# Altium PCB Room02.PcbDoc (part 2 of 2)
Units mil, origin at the board's own origin, x right, y up, seen from the top; angles counter-clockwise.
Board outline 3779.53 x 3149.61 mil, 2 copper layers (Top Layer, Bottom Layer); 97 components, 89 nets, 403 pads, 110 vias.
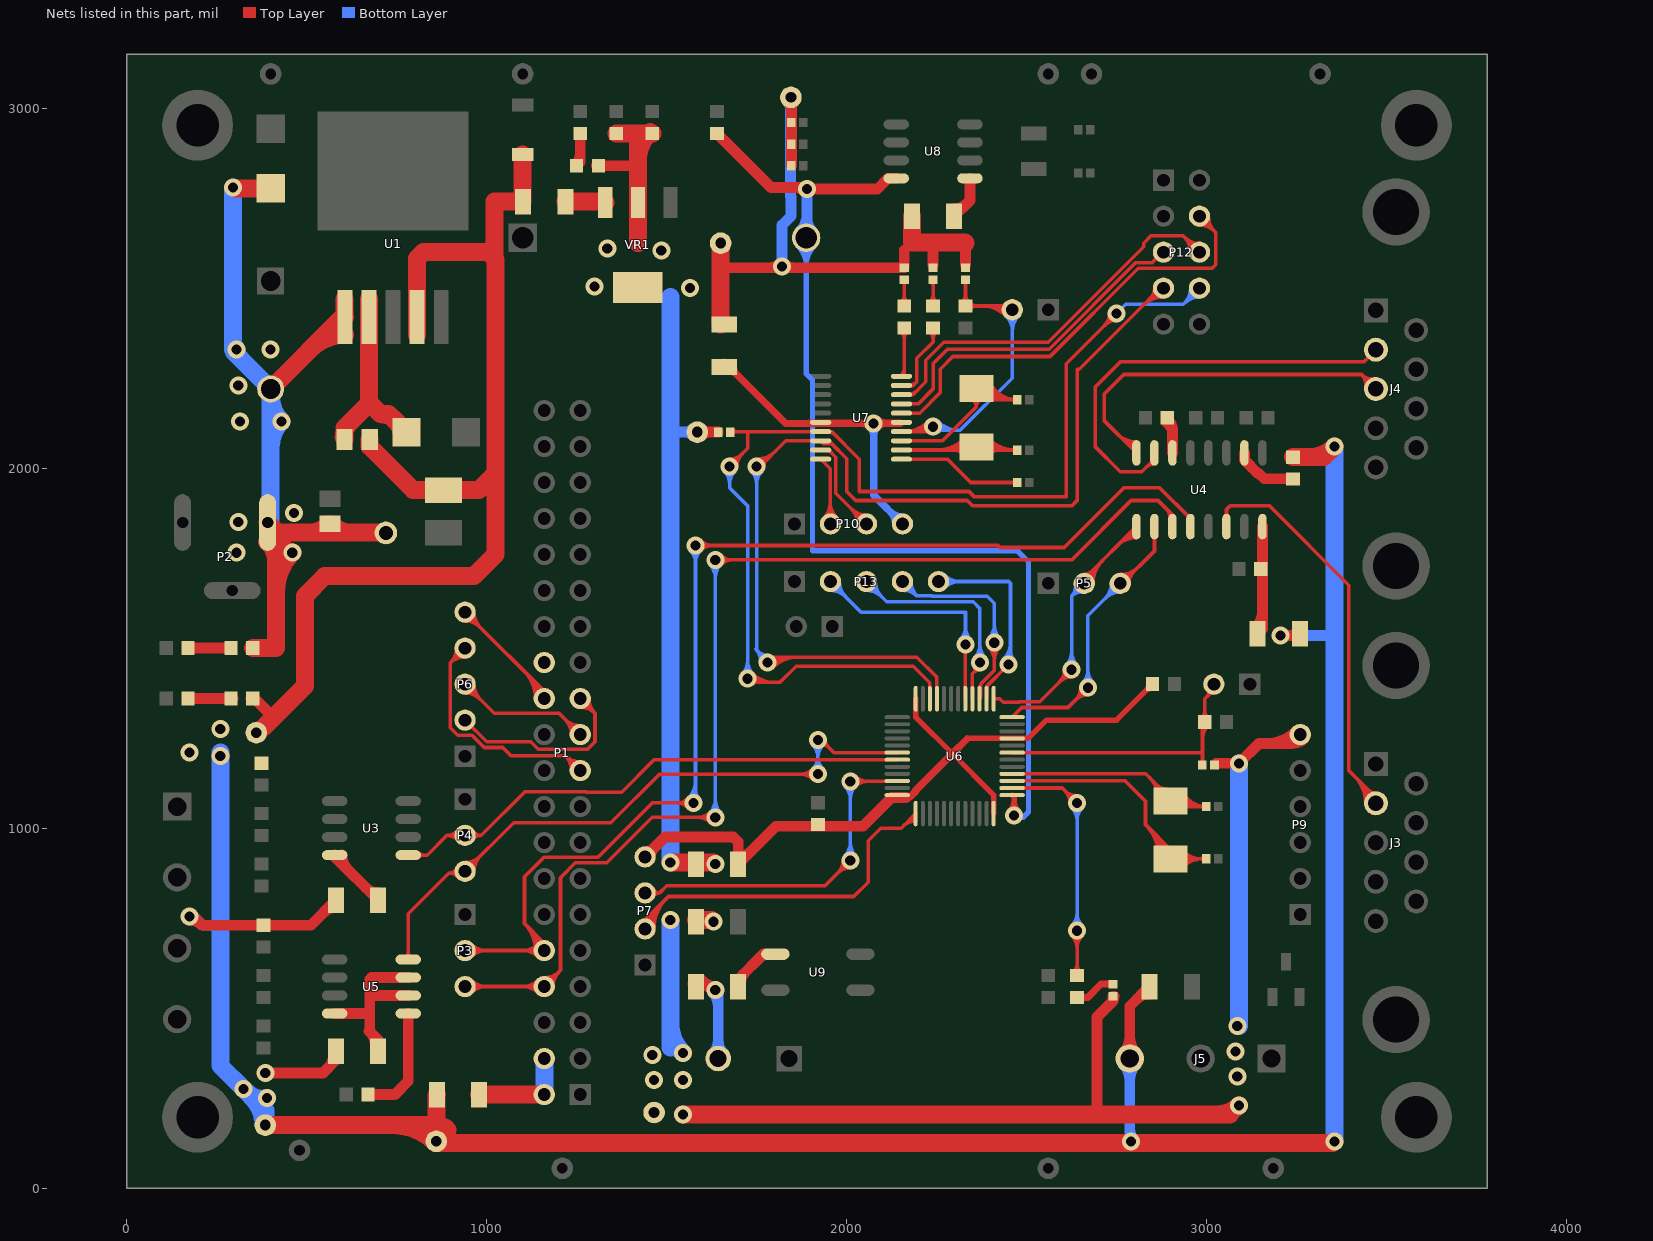
[diagram p2: the nets of this part, all layers, seen from the top]

## Via types
v1: diameter 50, hole 28, Top Layer to Bottom Layer, 110 vias

## Nets (pads, with @x,y where several pads share a name; then routed paths per layer and width w, separated by ;. In a path a pad name is that pad's centre, name@x,y a point inside that pad or via, vN(x,y) a via of type N, cw(c..) or ccw(c..) an arc to the next point about the centre after c; other vN are vias at no path point) (continued)
J3T: J3.2 U4.14 | length 1363.5
  Top Layer w10: U4.14@3050.18,1866.08 ccw(c3038.56,1877.7) 3055,1877.7 ccw(c3071.44,1877.7) U4.14@3059.82,1866.08 ; U4.14@3055,1837.64 3055,1885 3065,1895 3175,1895 3395,1675 3395,1160.08 3470.08,1085 J3.2@3470.08,1069.06 ; 3410.55,1144.53 cw(c3335.07,1069.06) J3.2@3441.81,1069.06 ; 3427.62,1127.46 cw(c3369.22,1069.06) J3.2@3451.81,1069.06 ; 3444.69,1110.39 cw(c3403.36,1069.06) J3.2@3461.81,1069.06 ; 3449.04,1106.04 ccw(c3470.08,1127.08) J3.2@3470.08,1097.32
J4R: J4.3 U4.8 | length 1241
  Top Layer w10: 2753.05,2094.31 ccw(c2805,2146.27) U4.8@2805,2072.8 ; 2770.12,2077.24 ccw(c2805,2112.12) U4.8@2805,2062.8 ; 2787.19,2060.17 ccw(c2805,2077.98) U4.8@2805,2052.8 ; U4.8@2804.26,2043.1 ccw(c2805,2043.84) U4.8@2805,2042.8 ; U4.8@2805,2042.36 2715,2132.36 2715,2205 2770,2260 3430.08,2260 ; J4.3@3442.09,2223.99 ccw(c3400.05,2229.97) 3430.08,2260 ; J4.3@3451.99,2222.58 ccw(c3424.83,2226.44) 3444.23,2245.85 ccw(c3463.63,2265.25) J4.3@3467.5,2238.09 ; J4.3@3466.09,2247.99 cw(c3460.11,2290.02) 3430.08,2260 ; J4.3@3470.08,2220 3430.08,2260
J4T: J4.2 U4.7 | length 1238.8
  Top Layer w10: 2832.69,2002.69 cw(c2855,1980.37) U4.7@2855,2011.93 ; U4.7@2855,2042.36 2855,2025 2820,1990 2760,1990 2690,2060 2690,2225 2760,2295 3436.02,2295 J4.2@3470.08,2329.06
LED3_030: D7.K U7.9 | length 287.9
  Top Layer w10: U7.9@2152.2,2229.57 2184.57,2229.57 2195,2240 2195,2305 2240,2350 D7.K@2240,2389.69 ; U7.9@2174.84,2231.46 ccw(c2174.84,2259.5) 2194.67,2239.67 ; D7.K@2230.59,2380.28 cw(c2207.87,2357.56) 2240,2357.56 cw(c2272.13,2357.56) D7.K@2249.41,2380.28
LED4_030: D8.K U7.10 | length 212.7
  Top Layer w10: D8.K@2150.59,2380.28 cw(c2127.87,2357.56) 2160,2357.56 cw(c2192.13,2357.56) D8.K@2169.41,2380.28 ; U7.10@2150.87,2256.49 ccw(c2128.82,2278.54) 2160,2278.54 ; U7.10@2152.2,2255.16 2160,2262.95 D8.K@2160,2389.69
LED_103: D6.K U6.2 | length 1031.2
  Top Layer w10: U6.2@2459.45,1111.42 2598.58,1111.42 v1(2640,1070) ; v1@2620,1070 ccw(c2571.72,1070) 2605.86,1104.14 ccw(c2640,1138.28) v1@2640,1090 ; v1@2625.86,700.86 cw(c2591.72,666.72) 2640,666.72 cw(c2688.28,666.72) v1@2654.14,700.86 ; D6.K@2630.59,599.72 ccw(c2607.87,622.44) 2640,622.44 ccw(c2672.13,622.44) D6.K@2649.41,599.72 ; D6.K@2640,590.31 v1(2640,715)
  Bottom Layer w10: v1@2625.86,729.14 ccw(c2591.72,763.28) 2640,763.28 ccw(c2688.28,763.28) v1@2654.14,729.14 ; v1@2625.86,1055.86 cw(c2591.72,1021.72) 2640,1021.72 cw(c2688.28,1021.72) v1@2654.14,1055.86 ; v1(2640,715) v1(2640,1070)
NetC8_1: C8.1 U4.2 | length 176.6
  Top Layer w30: U4.2@3105,2042.36 3105,2022.34 3141.41,1985.93 3144.07,1985.93 3159.68,1970.32 C8.1@3240,1970.32
NetC11_2: C11.2 R27.1 U4.16 | length 372
  Top Layer w30: R27.1@3136.22,1558.31 ccw(c3090.87,1603.66) 3155,1603.66 ; C11.2@3147.98,1716.68 cw(c3131.02,1699.72) 3155,1699.72 ; C11.2@3147.98,1723.32 ccw(c3131.02,1740.28) 3155,1740.28 ; R27.1@3155,1553.66 U4.16@3155,1837.64
NetC12_2: C12.2 U4.6 | length 207.2
  Top Layer w30: C12.2@2887.98,2136.68 cw(c2846.88,2095.58) 2905,2095.58 ; C12.2@2888.56,2136.21 cw(c2869.92,2106.5) 2905,2106.5 ; C12.2@2890.32,2140 2890.32,2124.68 2905,2110 U4.6@2905,2042.36 ; C12.2@2893.41,2137.84 ccw(c2911.59,2130.92) 2897.83,2117.17
NetD2_A: D2.A R1.1 | length 119.7
  Top Layer w30: D2.A@170.32,1500 R1.1@290,1500
NetD3_A: D3.A R2.1 | length 124.7
  Top Layer w30: D3.A@170.32,1360 R2.1@295,1360
NetD4_A: D4.A R3.1 | length 127.9
  Top Layer w30: R3.1@1247.35,2843.32 ccw(c1216.8,2873.87) 1260,2873.87 ; R3.1@1249.69,2840 1260,2850.31 D4.A@1260,2929.68
NetD6_A: D6.A R12.1 | length 146.8
  Top Layer w20: D6.A@2640,529.68 2669.68,529.68 2706.73,566.73 R12.1@2740,566.73 ; D6.A@2646.86,523.81 cw(c2661.04,509.63) 2661.04,529.68 cw(c2661.04,549.74) D6.A@2646.86,535.56
NetD7_A: D7.A R17.1 | length 149.2
  Top Layer w10: D7.A@2230.59,2459.73 ccw(c2207.87,2482.44) 2240,2482.44 ccw(c2272.13,2482.44) D7.A@2249.41,2459.73 ; R17.1@2235.18,2518.45 cw(c2223.56,2506.82) 2240,2506.82 cw(c2256.44,2506.82) R17.1@2244.82,2518.45 ; D7.A@2240,2450.32 R17.1@2240,2523.27
NetD8_A: D8.A R18.1 | length 149.2
  Top Layer w10: D8.A@2150.59,2459.73 ccw(c2127.87,2482.44) 2160,2482.44 ccw(c2192.13,2482.44) D8.A@2169.41,2459.73 ; R18.1@2155.18,2518.45 cw(c2143.56,2506.82) 2160,2506.82 cw(c2176.44,2506.82) R18.1@2164.82,2518.45 ; D8.A@2160,2450.32 R18.1@2160,2523.27
NetJ6_2: J6.2 R32.1 | length 448.4
  Top Layer w30: R32.1@1573.05,568 cw(c1587.64,530.68) v1@1615.98,559.02 ; R32.1@1595,580 1625,550 v1(1635,550) ; R32.1@1600.86,574.14 ccw(c1635,608.28) v1@1635,560
  Bottom Layer w30: v1@1627.93,542.93 cw(c1591.18,506.18) 1643.15,506.18 ; J6.2@1628.7,374.45 ccw(c1593.82,409.33) 1643.15,409.33 ccw(c1692.48,409.33) J6.2@1657.6,374.45 ; v1(1635,550) 1643.15,541.85 J6.2@1643.15,360
NetR4_2: R4.2 VR1.3 | length 111.6
  Top Layer w50: R4.2@1218.66,2740 1327.56,2740 VR1.3@1329.45,2738.11
NetR10_2: R10.2 U5.1 | length 315.2
  Top Layer w30: R10.2@670.32,260 745,260 782.36,297.36 U5.1@782.36,485
NetR16_2: R16.2 U7.1 | length 373.8
  Top Layer w10: U7.1@2152.2,2024.84 2280.16,2024.84 2345,1960 R16.2@2473.27,1960 ; R16.2@2468.45,1955.18 ccw(c2456.82,1943.56) 2456.82,1960 ccw(c2456.82,1976.44) R16.2@2468.45,1964.82
NetR25_2: R25.2 U3.8 | length 260.2
  Top Layer w30: U3.8@577.64,925 577.64,921.02 R25.2@698.66,800 ; U3.8@598.07,925 ccw(c657,925) 615.33,883.33 ; 663.78,834.88 ccw(c698.66,869.76) R25.2@698.66,820.43
NetR26_2: R26.2 U5.2 U5.3 U5.8 | length 612.1
  Top Layer w30: U5.8@577.64,485 670,485 ; 673.46,436.54 cw(c630.11,393.19) R26.2@691.42,393.19 ; R26.2@698.66,380 698.66,411.34 675,435 675,535 ; U5.2@782.36,535 675,535 ; U5.3@782.36,585 680,585 675,580 ; 675,535 675,580 ; 675,535 675,580
NetR32_2: R32.2 U9.1 | length 145.3
  Top Layer w30: R32.2@1698.66,580 U9.1@1768.66,650 ; R32.2@1705.91,573.19 cw(c1739.84,573.19) 1715.84,597.18 ; 1760.59,641.93 cw(c1778.27,624.26) U9.1@1778.27,649.25
NRST: C17.2 P8.2 R13.1 U6.7 | length 944.7
  Top Layer w10: U6.7@2459.45,1209.84 2988.27,1209.84 ; R13.1@2983.45,1180.8 ccw(c2971.82,1192.43) 2988.27,1192.43 ccw(c3004.71,1192.43) R13.1@2993.08,1180.8 ; C17.2@2985.27,1305.39 ccw(c2962.56,1328.11) 2994.68,1328.11 ccw(c3026.81,1328.11) C17.2@3004.09,1305.39 ; R13.1@2988.27,1175 2988.27,1288.58 C17.2@2994.68,1295 2994.68,1359.68 3020,1385 P8.2@3020,1400 ; 2988.27,1246.4 cw(c3042.3,1246.4) C17.2@3004.09,1284.61 ; 2988.27,1270.54 cw(c3018.16,1270.54) C17.2@2997.02,1291.68 ; 3002.18,1367.18 ccw(c2994.21,1375.16) P8.2@3002.33,1382.99 ; 3003.74,1368.74 cw(c3020,1352.47) P8.2@3020,1375.47
NRST_030: C20.2 P11.2 R19.1 U7.4 | length 1548.4
  Top Layer w10: U7.4@2152.2,2101.61 2226.61,2101.61 v1(2240,2115) ; U7.4@2159.4,2101.61 ccw(c2159.4,2195.6) v1@2225.86,2129.14 ; 2183.54,2101.61 ccw(c2183.54,2171.46) v1@2232.93,2122.07 ; 2207.68,2101.61 ccw(c2207.68,2147.32) v1(2240,2115) ; v1@2240,2105 v1(2240,2115) ; C20.2@2320.59,2459.73 ccw(c2297.87,2482.44) 2330,2482.44 ccw(c2362.13,2482.44) C20.2@2339.41,2459.73 ; R19.1@2325.18,2518.45 cw(c2313.56,2506.82) 2330,2506.82 cw(c2346.44,2506.82) R19.1@2334.82,2518.45 ; R19.1@2330,2523.27 C20.2@2330,2450.32 P11.2@2449.69,2450.32 ; C20.2@2340.39,2440.91 cw(c2363.11,2418.19) 2363.11,2450.32 cw(c2363.11,2482.44) C20.2@2340.39,2459.73 ; 2375.88,2450.32 cw(c2375.88,2355.88) P11.2@2442.66,2422.66 ; 2400.02,2450.32 cw(c2400.02,2380.02) P11.2@2449.73,2429.73 ; 2424.16,2450.32 cw(c2424.16,2404.16) P11.2@2456.8,2436.8 ; 2425.69,2450.32 ccw(c2425.69,2474.31) P11.2@2442.66,2457.34
  Bottom Layer w10: v1@2247.07,2122.07 ccw(c2288.28,2163.28) 2288.28,2105 ; v1@2254.14,2100.86 cw(c2264.14,2090.86) 2264.14,2105 cw(c2264.14,2139.14) v1(2240,2115) 2240,2105 2315,2105 2460,2250 P11.2@2460,2440 ; v1@2254.14,2129.14 ccw(c2312.43,2187.43) 2312.43,2105 ; P11.2@2442.66,2422.66 cw(c2400.79,2380.79) 2460,2380.79 cw(c2519.21,2380.79) P11.2@2477.34,2422.66 ; P11.2@2449.73,2429.73 cw(c2424.93,2404.93) 2460,2404.93 cw(c2495.07,2404.93) P11.2@2470.27,2429.73
O_2576: D1.2 L1.1 U1.2 | length 682.5
  Top Layer w50: L1.1@602.79,2086.1 cw(c658.13,2086.1) 619,2125.23 ; L1.1@604.96,2080 604.96,2111.19 673.07,2179.3 ; U1.2@673.07,2470 U1.2@673.07,2420 673.07,2181.96 704.83,2150.2 ; D1.2@763.05,2098.34 ccw(c704.84,2091.59) 704.84,2150.2 ; D1.2@777.32,2100 727.13,2150.2 704.83,2150.2
OSC32_IN: C15.2 U6.3 Y2.1 | length 1232.7
  Top Layer w10: U6.3@2459.45,1131.1 2773.9,1131.1 2830,1075 2830,1010 2900,940 Y2.1@2900,914.29 ; 2828.86,1011.14 cw(c2734.9,917.18) Y2.1@2867.76,914.71 ; 2845.49,994.51 cw(c2767.56,916.57) Y2.1@2877.76,914.52 ; 2862.13,977.87 cw(c2800.22,915.96) Y2.1@2887.76,914.34 ; 2878.76,961.24 cw(c2832.88,915.36) Y2.1@2897.75,914.15 ; Y2.1@2900.71,915 C15.2@2998.27,915 ; Y2.1@2925.68,898.45 cw(c2965.63,858.5) 2965.63,915 ; Y2.1@2925.68,930.13 ccw(c2962.22,966.66) 2962.22,915 ; Y2.1@2932.75,891.38 cw(c2989.78,834.36) C15.2@2989.78,915 ; Y2.1@2932.75,937.2 ccw(c2986.36,990.81) 2986.36,915 ; C15.2@2993.45,910.18 ccw(c2981.82,898.56) 2981.82,915 ccw(c2981.82,931.44) C15.2@2993.45,919.82
OSC32_OUT: C16.2 U6.4 Y2.2 | length 942.4
  Top Layer w10: U6.4@2459.45,1150.79 2830.79,1150.79 2900,1081.58 Y2.2@2900,1075.71 ; 2840.81,1140.77 cw(c2775.75,1075.71) Y2.2@2867.76,1075.71 ; 2857.88,1123.7 cw(c2809.89,1075.71) Y2.2@2877.76,1075.71 ; 2861.66,1119.91 ccw(c2890.16,1148.4) Y2.2@2890.16,1108.11 ; Y2.2@2915.71,1060 C16.2@2998.27,1060 cw(c2998.26,1132.91) Y2.2@2937.05,1093.31 ; Y2.2@2920.26,1082.44 ccw(c2961.51,1109.13) 2961.51,1060 ; Y2.2@2928.65,1087.88 ccw(c2979.88,1121.02) 2979.88,1060 ; Y2.2@2932.75,1052.8 cw(c2950.14,1035.41) 2950.14,1060 ; C16.2@2993.45,1055.18 ccw(c2981.82,1043.56) 2981.82,1060 ccw(c2981.82,1076.44) C16.2@2993.45,1064.82
OSC_IN: C18.2 U7.2 Y3.1 | length 819.8
  Top Layer w10: U7.2@2152.2,2050.43 2360,2050.43 2472.83,2050.43 C18.2@2473.27,2050 ; 2250.55,2050.43 ccw(c2250.55,2158.9) Y3.1@2327.25,2082.2 ; 2274.69,2050.43 ccw(c2274.69,2134.76) Y3.1@2334.32,2075.13 ; 2293.32,2050.43 cw(c2293.32,2002.45) Y3.1@2327.25,2036.38 ; 2298.83,2050.43 ccw(c2298.83,2110.62) Y3.1@2341.39,2068.06 ; Y3.1@2378.61,2068.06 ccw(c2421.17,2110.62) 2421.17,2050.43 ; Y3.1@2385.68,2075.13 ccw(c2445.31,2134.76) 2445.31,2050.43 ; Y3.1@2392.75,2036.38 cw(c2426.68,2002.45) 2426.68,2050.43 ; Y3.1@2392.75,2082.2 ccw(c2469.45,2158.9) C18.2@2469.45,2050.43 ; 2455.78,2050.43 cw(c2455.78,2032.51) C18.2@2468.45,2045.18 ; 2457.87,2050.43 ccw(c2457.87,2065.4) C18.2@2468.45,2054.82
OSC_OUT: C19.2 U7.3 Y3.2 | length 898
  Top Layer w10: U7.3@2152.2,2076.02 2266.02,2076.02 2360,2170 ; Y3.2@2346.39,2191.3 cw(c2336.53,2170) 2360,2170 ; Y3.2@2354.19,2212.66 ccw(c2391.33,2231.76) Y3.2@2391.33,2190 ; Y3.2@2360,2220.71 2360,2170 ; Y3.2@2363.09,2217.23 ccw(c2407.71,2240.18) 2407.71,2190 ; Y3.2@2365,2190 C19.2@2473.27,2190 cw(c2473.26,2273.9) Y3.2@2398.66,2235.53 ; Y3.2@2371.98,2221.81 ccw(c2424.1,2248.61) 2424.1,2190 ; Y3.2@2373.61,2191.3 ccw(c2383.47,2170) 2360,2170 ; Y3.2@2380.87,2226.38 ccw(c2440.49,2257.04) 2440.49,2190 ; Y3.2@2389.76,2230.95 ccw(c2456.88,2265.47) 2456.88,2190 ; C19.2@2468.45,2185.18 ccw(c2456.82,2173.56) 2456.82,2190 ccw(c2456.82,2206.44) C19.2@2468.45,2194.82
PA0: P12.4 U7.6 | length 1383.4
  Top Layer w10: U7.6@2152.2,2152.8 2202.8,2152.8 2260,2210 2260,2275 2295,2310 2565,2310 2810,2555 3015,2555 3025,2565 3025,2655 P12.4@2980,2700 ; P12.4@2980,2675.47 cw(c2980,2616.26) 3021.87,2658.13 cw(c3063.74,2700) P12.4@3004.53,2700 ; P12.4@2980,2685.47 cw(c2980,2650.4) 3004.8,2675.2 cw(c3029.6,2700) P12.4@2994.53,2700
PA1: P12.5 U7.7 | length 943.4
  Top Layer w10: U7.7@2152.2,2178.39 2198.39,2178.39 2240,2220 2240,2290 2280,2330 2562.37,2330 2803.37,2571 2848.63,2571 2877.63,2600 P12.5@2880,2600
PA2: P12.6 U7.8 | length 1239
  Top Layer w10: U7.8@2152.2,2203.98 2183.98,2203.98 2220,2240 2220,2300 2270,2350 2559.75,2350 2825,2615.25 2825,2625 2845,2645 2935,2645 P12.6@2980,2600 ; U7.8@2174.84,2205.87 ccw(c2174.84,2232.48) 2193.66,2213.66 ; P12.6@2955.47,2600 ccw(c2896.26,2600) 2938.13,2641.87 ccw(c2980,2683.74) P12.6@2980,2624.53 ; P12.6@2965.47,2600 ccw(c2930.4,2600) 2955.2,2624.8 ccw(c2980,2649.6) P12.6@2980,2614.53
RU0RX: P1.10 P3.2 U4.12 | length 4070.3
  Top Layer w10: P3.2@940,660 P1.10@1160,660 1160,680 1105,735 1105,865 1159.47,919.47 1309.47,919.47 1460,1070 v1(1575,1070) ; P3.2@950.27,649.73 cw(c975.07,624.93) 975.07,660 cw(c975.07,695.07) P3.2@950.27,670.27 ; P3.2@957.34,642.66 cw(c999.21,600.79) 999.21,660 cw(c999.21,719.21) P3.2@957.34,677.34 ; 1103.99,736.01 cw(c1027.97,660) P1.10@1135.47,660 ; 1121.06,718.94 cw(c1062.12,660) P1.10@1145.47,660 ; 1138.13,701.87 cw(c1096.26,660) P1.10@1155.47,660 ; P1.10@1142.66,642.66 ccw(c1100.79,600.79) 1100.79,660 ccw(c1100.79,719.21) P1.10@1142.66,677.34 ; P1.10@1149.73,649.73 ccw(c1124.93,624.93) 1124.93,660 ccw(c1124.93,695.07) P1.10@1149.73,670.27 ; v1@1560.86,1055.86 ccw(c1526.72,1021.72) 1526.72,1070 ccw(c1526.72,1118.28) v1@1560.86,1084.14 ; v1(1580,1785) 2420.39,1785 2425.92,1779.47 2604.47,1779.47 2770,1945 2870,1945 2955,1860 U4.12@2955,1837.64 ; v1@1594.14,1770.86 cw(c1628.28,1736.72) 1628.28,1785 cw(c1628.28,1833.28) v1@1594.14,1799.14 ; 2941.22,1873.78 ccw(c2955,1887.56) U4.12@2955,1868.07 ; 2944.26,1870.74 cw(c2934.79,1861.26) U4.12@2948.19,1861.26
  Bottom Layer w10: v1@1560.86,1084.14 ccw(c1514.64,1130.36) 1580,1130.36 ; v1@1565.86,1770.86 cw(c1531.72,1736.72) 1580,1736.72 cw(c1628.28,1736.72) v1@1594.14,1770.86 ; v1@1567.93,1077.07 ccw(c1538.79,1106.21) 1580,1106.21 ccw(c1611.21,1106.21) v1@1589.14,1084.14 ; v1@1580,1075 v1(1580,1785)
RU0TX: P1.8 P3.3 U4.11 | length 3919.9
  Top Layer w10: P3.3@940,560 P1.8@1160,560 1205,605 1205,862.31 1246.16,903.47 1333.47,903.47 1460,1030 v1(1635,1030) ; P3.3@950.27,549.73 cw(c975.07,524.93) 975.07,560 cw(c975.07,595.07) P3.3@950.27,570.27 ; P3.3@957.34,542.66 cw(c999.21,500.79) 999.21,560 cw(c999.21,619.21) P3.3@957.34,577.34 ; P1.8@1142.66,542.66 ccw(c1100.79,500.79) 1100.79,560 ccw(c1100.79,619.21) P1.8@1142.66,577.34 ; P1.8@1149.73,549.73 ccw(c1124.93,524.93) 1124.93,560 ccw(c1124.93,595.07) P1.8@1149.73,570.27 ; P1.8@1160,574.53 ccw(c1160,609.6) 1184.8,584.8 ccw(c1209.6,560) P1.8@1174.53,560 ; P1.8@1160,584.53 ccw(c1160,643.74) 1201.87,601.87 ccw(c1243.74,560) P1.8@1184.53,560 ; v1@1620.86,1015.86 ccw(c1586.72,981.72) 1586.72,1030 ccw(c1586.72,1078.28) v1@1620.86,1044.14 ; v1(1635,1745) 2625,1745 2790,1910 2865,1910 2905,1870 U4.11@2905,1837.64 ; v1@1649.14,1730.86 cw(c1683.28,1696.72) 1683.28,1745 cw(c1683.28,1793.28) v1@1649.14,1759.14 ; 2887.19,1887.81 cw(c2860.65,1861.26) U4.11@2898.19,1861.26
  Bottom Layer w10: v1@1620.86,1044.14 ccw(c1586.72,1078.28) 1635,1078.28 ccw(c1683.28,1078.28) v1@1649.14,1044.14 ; v1@1620.86,1730.86 cw(c1586.72,1696.72) 1635,1696.72 cw(c1683.28,1696.72) v1@1649.14,1730.86 ; v1(1635,1030) v1(1635,1745)
SPI1_MISO: P13.3 U6.16 | length 849.8
  Top Layer w10: U6.16@2349.21,1359.45 2349.21,1429.21 v1@2370,1450 ; v1@2354.74,1447.07 cw(c2347.5,1440.93) 2354.21,1434.21 cw(c2368.27,1420.15) v1@2369.13,1440.02
  Bottom Layer w10: P13.3@2055,1660.47 cw(c2055,1601.26) 2096.87,1643.13 cw(c2138.74,1685) P13.3@2079.53,1685 ; P13.3@2055,1670.47 cw(c2055,1635.4) 2079.8,1660.2 cw(c2104.6,1685) P13.3@2069.53,1685 ; P13.3@2055,1685 2111,1629 2231.06,1629 2231.59,1628.47 2351.53,1628.47 2370,1610 v1(2370,1460) ; v1@2355.86,1474.14 ccw(c2321.72,1508.28) 2370,1508.28 ccw(c2418.28,1508.28) v1@2384.14,1474.14
SPI1_MOSI: P13.2 U6.17 | length 874.9
  Top Layer w10: U6.17@2329.53,1359.45 2329.53,1509.53 v1(2330,1510)
  Bottom Layer w10: P13.2@1955,1660.47 cw(c1955,1601.26) 1996.87,1643.13 cw(c2038.74,1685) P13.2@1979.53,1685 ; P13.2@1955,1670.47 cw(c1955,1635.4) 1979.8,1660.2 cw(c2004.6,1685) P13.2@1969.53,1685 ; P13.2@1955,1685 2040,1600 2330,1600 v1(2330,1510) ; v1@2315.86,1524.14 ccw(c2281.72,1558.28) 2330,1558.28 ccw(c2378.28,1558.28) v1@2344.14,1524.14
SPI1_NSS: P1.24 P6.5 | length 703.9
  Top Layer w10: P6.5@940,1575.47 cw(c940,1516.26) 981.87,1558.13 cw(c1023.74,1600) P6.5@964.53,1600 ; P6.5@940,1585.47 cw(c940,1550.4) 964.8,1575.2 cw(c989.6,1600) P6.5@954.53,1600 ; P6.5@940,1600 1180,1360 P1.24@1160,1360 ; 1103.99,1436.01 cw(c1027.97,1360) P1.24@1135.47,1360 ; 1121.06,1418.94 cw(c1062.12,1360) P1.24@1145.47,1360 ; 1138.13,1401.87 cw(c1096.26,1360) P1.24@1155.47,1360
SPI1_NSSN: P13.5 U6.14 | length 869.6
  Top Layer w10: U6.14@2388.58,1359.45 2388.58,1393.58 2445,1450 2445,1470 2455,1470 2450,1465 v1(2450,1455) ; U6.14@2389.09,1389.37 cw(c2400.5,1389.37) 2392.43,1397.43
  Bottom Layer w10: P13.5@2255,1685 2450,1685 2455,1680 2455,1480 2445,1470 2455,1470 2450,1465 v1(2450,1455) ; P13.5@2265.27,1674.73 cw(c2290.07,1649.93) 2290.07,1685 cw(c2290.07,1720.07) P13.5@2265.27,1695.27 ; P13.5@2272.34,1667.66 cw(c2314.21,1625.79) 2314.21,1685 cw(c2314.21,1744.21) P13.5@2272.34,1702.34 ; v1@2435.86,1469.14 ccw(c2389.64,1515.36) 2455,1515.36 ; v1@2442.93,1462.07 ccw(c2413.79,1491.21) 2455,1491.21 ccw(c2486.21,1491.21) v1@2464.14,1469.14
SPI1_SCK: P13.4 U6.15 | length 899.4
  Top Layer w10: U6.15@2368.54,1389.73 ccw(c2358.77,1399.5) 2372.58,1399.5 ; U6.15@2368.62,1389.8 ccw(c2364.39,1396.21) 2372.07,1396.21 ; U6.15@2368.64,1389.81 ccw(c2364.56,1396.72) 2372.58,1396.72 ; U6.15@2368.9,1359.45 2372.07,1362.62 2372.07,1396.21 ; U6.15@2369.41,1389.37 cw(c2379.5,1389.37) 2372.36,1396.5 ; U6.15@2369.41,1389.39 cw(c2378.51,1389.77) 2372.07,1396.21 ; v1@2395.86,1500.86 cw(c2361.72,1466.72) 2410,1466.72 cw(c2458.28,1466.72) v1@2424.14,1500.86 ; v1@2410,1510 2410,1437.63 2372.58,1400.21 2372.58,1396.72 ; 2372.07,1396.21 2372.58,1396.72
  Bottom Layer w10: P13.4@2155,1685 2195,1645 ; P13.4@2155.48,1670.48 cw(c2156.51,1639.13) 2178.69,1661.31 cw(c2200.87,1683.49) P13.4@2169.52,1684.52 ; P13.4@2155.81,1660.49 cw(c2157.55,1607.55) 2195,1645 ; P13.4@2179.51,1684.19 ccw(c2232.45,1682.45) 2195,1645 ; v1@2395.86,1529.14 ccw(c2361.72,1563.28) 2410,1563.28 ccw(c2458.28,1563.28) v1@2424.14,1529.14 ; v1@2410,1505 2410,1625 2390.53,1644.47 2238.21,1644.47 2237.69,1645 2195,1645
  other v1: 2410,1515
SPI2_NSS: P1.26
SPI_MISO: P1.21 P6.3 | length 674.2
  Top Layer w10: P6.3@940,1375.47 cw(c940,1316.26) 981.87,1358.13 cw(c1023.74,1400) P6.3@964.53,1400 ; P6.3@940,1385.47 cw(c940,1350.4) 964.8,1375.2 cw(c989.6,1400) P6.3@954.53,1400 ; P6.3@940,1400 1021,1319 1201,1319 P1.21@1260,1260 ; P1.21@1235.47,1260 ccw(c1176.26,1260) 1218.13,1301.87 ccw(c1260,1343.74) P1.21@1260,1284.53 ; P1.21@1245.47,1260 ccw(c1210.4,1260) 1235.2,1284.8 ccw(c1260,1309.6) P1.21@1260,1274.53
SPI_MOSI: P1.19 P6.4 | length 936.5
  Top Layer w10: P6.4@915.48,1499.63 cw(c859.22,1498.79) 899,1459 ; P6.4@925.47,1499.78 cw(c892.15,1499.28) 915.72,1475.72 cw(c939.28,1452.15) P6.4@939.78,1485.47 ; P6.4@939.63,1475.48 ccw(c938.79,1419.22) 899,1459 ; P6.4@940,1500 899,1459 ; P1.19@1235.47,1160.26 ccw(c1178.38,1160.87) 1218.75,1201.25 ; P1.19@1245.47,1160.15 ccw(c1211.65,1160.52) 1235.57,1184.43 ccw(c1259.48,1208.35) P1.19@1259.85,1174.53 ; P1.19@1259.74,1184.53 cw(c1259.13,1241.62) 1218.75,1201.25 ; P1.19@1260,1160 1218.75,1201.25 ; 899,1459 899,1279 920,1258 959.37,1258 993.37,1224 1045,1224 1067.75,1201.25 1218.75,1201.25
SPI_SCLK: P1.23 P6.2 | length 683.7
  Top Layer w10: P6.2@940,1300 1000,1240 1092,1240 1122.69,1240 1143.21,1219.47 1231.53,1219.47 1232,1219 1280,1219 1301,1240 1301,1319 ; P1.23@1260,1360 1301,1319 ; P1.23@1260.22,1345.47 cw(c1260.72,1312.15) 1284.28,1335.72 cw(c1307.85,1359.28) P1.23@1274.53,1359.78 ; P1.23@1260.37,1335.48 cw(c1261.21,1279.22) 1301,1319 ; P1.23@1284.52,1359.63 ccw(c1340.78,1358.79) 1301,1319
SWCLK: P7.2 U6.37 | length 1287.7
  Top Layer w10: P7.2@1434.53,720 cw(c1481.67,720) 1448.34,753.34 ; P7.2@1440,720 1440,745 1505,810 2020,810 2060,850 2060,965 2095,1000 2151.18,1000 U6.37@2191.73,1040.55 ; P7.2@1444.53,720 cw(c1515.81,720) 1465.41,770.41 ; P7.2@1454.53,720 cw(c1549.96,720) 1482.48,787.48 ; P7.2@1464.53,720 cw(c1584.1,720) 1499.55,804.55 ; 2156.85,1005.67 cw(c2191.73,970.79) U6.37@2191.73,1020.12 ; 2173.92,1022.74 cw(c2191.73,1004.93) U6.37@2191.73,1030.12 ; U6.37@2190.99,1039.81 cw(c2191.73,1039.07) U6.37@2191.73,1040.12
SWCLK_030: P10.2 U7.20 | length 339.2
  Top Layer w10: U7.20@1927.8,2024.84 1954,1998.64 1954,1846 P10.2@1955,1845 ; P10.2@1937.66,1862.34 ccw(c1898.2,1901.8) 1954,1901.8 ; P10.2@1944.73,1855.27 ccw(c1922.34,1877.66) 1954,1877.66 ; 1954,1882.49 ccw(c1992.49,1882.49) P10.2@1965.27,1855.27 ; 1954,1906.63 ccw(c2016.63,1906.63) P10.2@1972.34,1862.34
SWDIO: P7.3 U6.34 | length 1304.9
  Top Layer w10: P7.3@1440,820 1480,820 ; P7.3@1461.86,808.88 cw(c1480,799.65) 1480,820 ; P7.3@1461.86,831.12 ccw(c1480,840.35) 1480,820 ; v1@1990,910 cw(c1941.72,910) 1975.86,875.86 cw(c2010,841.72) v1@2010,890 ; v1(2010,910) 1940,840 1500,840 1480,820 ; v1(2010,1130) U6.34@2139.45,1130 ; v1@2024.14,1115.86 cw(c2058.28,1081.72) 2058.28,1130 cw(c2058.28,1178.28) v1@2024.14,1144.14
  Bottom Layer w10: v1@1995.86,924.14 ccw(c1961.72,958.28) 2010,958.28 ccw(c2058.28,958.28) v1@2024.14,924.14 ; v1@1995.86,1115.86 cw(c1961.72,1081.72) 2010,1081.72 cw(c2058.28,1081.72) v1@2024.14,1115.86 ; v1(2010,910) v1(2010,1130)
SWDIO_030: P10.3 U7.19 | length 419.3
  Top Layer w10: U7.19@1927.8,2050.43 1950.14,2050.43 1970,2030.58 1970,1930 P10.3@2055,1845 ; P10.3@2030.47,1845 ccw(c1971.26,1845) 2013.13,1886.87 ccw(c2055,1928.74) P10.3@2055,1869.53 ; P10.3@2040.47,1845 ccw(c2005.4,1845) 2030.2,1869.8 ccw(c2055,1894.6) P10.3@2055,1859.53
U1RX: P4.2 U3.1 U6.31 | length 1680.1
  Top Layer w10: U3.1@782.36,925 835,925 890,980 ; U3.1@810.22,918.79 cw(c825.21,903.8) 825.21,925 cw(c825.21,946.2) U3.1@810.22,931.21 ; P4.2@920.6,964.99 ccw(c890,941.31) 890,980 ; P4.2@920.6,995.01 cw(c890,1018.69) 890,980 ; P4.2@928.51,971.11 ccw(c910.39,957.08) 910.39,980 ccw(c910.39,1002.92) P4.2@928.51,988.89 ; P4.2@940,960 920,980 890,980 ; P4.2@940,980 985,980 ; P4.2@960.61,966.71 cw(c985,950.99) 985,980 ; P4.2@960.61,993.29 ccw(c985,1009.01) 985,980 ; U6.31@2140.39,1190 1465,1190 1375,1100 1277.31,1100 1276.79,1100.53 1105.53,1100.53 985,980
U1TX: P4.3 U5.4 U6.30 | length 2304.3
  Top Layer w10: U5.4@776.15,641.21 ccw(c761.17,656.2) 782.36,656.2 ccw(c803.56,656.2) U5.4@788.57,641.21 ; U5.4@782.36,635 782.36,762.36 895,875 ; 910.24,875 ccw(c910.24,892.91) P4.3@926.67,885.78 ; P4.3@917.5,889.76 cw(c895,899.52) 895,875 ; P4.3@922.09,863.25 ccw(c895,837.92) 895,875 ; P4.3@940,860 925,875 895,875 ; P4.3@940,880 1075,1015 1345,1015 1480,1150 v1(1920,1150) ; P4.3@940,894.53 ccw(c940,929.6) 964.8,904.8 ccw(c989.6,880) P4.3@954.53,880 ; P4.3@940,904.53 ccw(c940,963.74) 981.87,921.87 ccw(c1023.74,880) P4.3@964.53,880 ; v1@1905.86,1135.86 ccw(c1871.72,1101.72) 1871.72,1150 ccw(c1871.72,1198.28) v1@1905.86,1164.14 ; v1(1920,1245) 1929.84,1245 1965,1209.84 U6.30@2140.55,1209.84 ; v1@1920.16,1235 cw(c1920.89,1189.28) 1953.23,1221.61 ; v1@1940,1245 ccw(c1964.52,1245) 1947.18,1227.66
  Bottom Layer w10: v1@1905.86,1164.14 ccw(c1871.72,1198.28) 1920,1198.28 ccw(c1968.28,1198.28) v1@1934.14,1164.14 ; v1@1905.86,1230.86 cw(c1871.72,1196.72) 1920,1196.72 cw(c1968.28,1196.72) v1@1934.14,1230.86 ; v1(1920,1150) v1(1920,1245)
U2RX: P5.2 U4.9 U6.13 | length 1245.3
  Top Layer w10: U6.13@2408.27,1359.45 2425.55,1359.45 2435,1350 2478.55,1350 2479.55,1351 2536,1351 v1(2625,1440) ; v1@2605,1440 cw(c2556.72,1440) 2590.86,1405.86 cw(c2625,1371.72) v1@2625,1420 ; P5.2@2660,1680 2660,1692.64 U4.9@2805,1837.64 ; P5.2@2660,1704.53 ccw(c2660,1733.23) 2680.3,1712.93 ; P5.2@2664.53,1680 cw(c2705.97,1680) 2676.67,1709.3 ; P5.2@2674.53,1680 cw(c2740.11,1680) 2693.74,1726.37 ; P5.2@2684.53,1680 cw(c2774.25,1680) 2710.81,1743.45 ; 2753.05,1785.69 cw(c2805,1733.73) U4.9@2805,1807.2 ; 2770.12,1802.76 cw(c2805,1767.88) U4.9@2805,1817.2 ; 2787.19,1819.83 cw(c2805,1802.02) U4.9@2805,1827.2 ; U4.9@2804.26,1836.9 cw(c2805,1836.16) U4.9@2805,1837.2
  Bottom Layer w10: v1@2610.86,1454.14 ccw(c2576.72,1488.28) 2625,1488.28 ccw(c2673.28,1488.28) v1@2639.14,1454.14 ; v1(2625,1440) 2625,1645 ; P5.2@2635.69,1676.7 cw(c2598.36,1671.64) 2625,1645 ; P5.2@2656.7,1655.69 ccw(c2651.64,1618.36) 2625,1645 ; P5.2@2660,1680 2625,1645
U2TX: P5.3 U4.10 U6.12 | length 1227.3
  Top Layer w10: U6.12@2459.45,1308.27 2486.18,1335 2615,1335 v1(2670,1390) ; v1@2650,1390 cw(c2601.72,1390) 2635.86,1355.86 cw(c2670,1321.72) v1@2670,1370 ; P5.3@2760,1680 2765,1680 2855,1770 U4.10@2855,1837.64 ; P5.3@2760,1694.53 ccw(c2760,1741.67) 2793.34,1708.34 ; P5.3@2760,1704.53 ccw(c2760,1775.81) 2810.41,1725.41 ; P5.3@2784.53,1680 cw(c2831.67,1680) 2798.34,1713.34 ; U4.10@2850.18,1809.2 cw(c2838.56,1797.57) 2855,1797.57 cw(c2871.44,1797.57) U4.10@2859.82,1809.2
  Bottom Layer w10: v1@2655.86,1404.14 ccw(c2621.72,1438.28) 2670,1438.28 ccw(c2718.28,1438.28) v1@2684.14,1404.14 ; v1(2670,1390) 2670,1590 P5.3@2760,1680 ; P5.3@2735.47,1680 cw(c2676.26,1680) 2718.13,1638.13 cw(c2760,1596.26) P5.3@2760,1655.47 ; P5.3@2745.47,1680 cw(c2710.4,1680) 2735.2,1655.2 cw(c2760,1630.4) P5.3@2760,1665.47
U3RX: P12.8 R15.1 U6.22 U7.17 | length 3865.2
  Top Layer w10: v1(1675,2005) 1725,2055 1725,2101.61 ; v1@1675,2025 ccw(c1675,2073.28) 1709.14,2039.14 ccw(c1743.28,2005) v1@1695,2005 ; R15.1@1676.73,2101.61 1725,2101.61 ; R15.1@1681.55,2096.17 cw(c1694.7,2083.02) 1694.7,2101.61 ; R15.1@1681.55,2105.8 ccw(c1691.66,2115.91) 1691.66,2101.61 ; v1@1732.07,1422.07 ccw(c1773.28,1463.28) 1773.28,1405 ; v1@1739.14,1400.86 cw(c1749.14,1390.86) 1749.14,1405 cw(c1749.14,1439.14) v1(1725,1415) 1735,1405 1815,1405 1860,1450 2185,1450 2231.1,1403.9 U6.22@2231.1,1359.45 ; v1@1739.14,1429.14 ccw(c1797.43,1487.43) 1797.43,1405 ; U7.17@1950.43,2099.72 cw(c1950.43,2075.96) 1967.23,2092.77 ; U7.17@1951.16,2099.87 cw(c1955.09,2090.37) 1962.36,2097.64 ; v1@2730,2430 cw(c2681.72,2430) 2715.86,2395.86 cw(c2750,2361.72) v1@2750,2410 ; v1(2750,2430) 2610,2290 2610,1920 2355,1920 2340,1935 2035,1935 2035,2025 1958.39,2101.61 U7.17@1927.8,2101.61 1725,2101.61
  Bottom Layer w10: v1@1660.86,1990.86 cw(c1626.72,1956.72) 1675,1956.72 cw(c1723.28,1956.72) v1@1689.14,1990.86 ; v1(1675,2005) 1675,1945 1725,1895 v1(1725,1415) ; v1@1710.86,1429.14 ccw(c1676.72,1463.28) 1725,1463.28 ccw(c1773.28,1463.28) v1@1739.14,1429.14 ; v1(2750,2430) 2775,2455 2935,2455 P12.8@2980,2500 ; P12.8@2955.47,2500 cw(c2896.26,2500) 2938.13,2458.13 cw(c2980,2416.26) P12.8@2980,2475.47 ; P12.8@2965.47,2500 cw(c2930.4,2500) 2955.2,2475.2 cw(c2980,2450.4) P12.8@2980,2485.47
U3TX: P12.7 U6.21 U7.18 | length 3487
  Top Layer w10: v1(1750,2005) 1750,1995 1831.02,2076.02 U7.18@1927.8,2076.02 1935.5,2068.32 1957.84,2068.32 2000,2026.17 2000,1935 2025,1910 2335,1910 2350,1895 2625,1895 2640,1910 2640,2275 2645.91,2275 2870.91,2500 P12.7@2880,2500 ; v1@1750,2015 ccw(c1750,2063.28) 1784.14,2029.14 ; v1@1750,2025 ccw(c1750,2097.43) 1801.21,2046.21 ; v1@1770,2005 cw(c1794.14,2005) 1777.07,2022.07 ; v1@1787.07,1452.93 cw(c1840.36,1399.64) 1840.36,1475 ; v1@1794.14,1445.86 cw(c1864.5,1375.5) 1864.5,1475 ; 1816.21,1475 ccw(c1816.21,1423.79) v1(1780,1460) 1795,1475 2195,1475 2250,1420 U6.21@2250,1360.24 ; U7.18@1943.06,2072.65 ccw(c1949.8,2075.73) 1949.8,2068.32 ; 2822.61,2451.7 cw(c2880,2394.32) P12.7@2880,2475.47 ; 2839.69,2468.77 cw(c2880,2428.46) P12.7@2880,2485.47 ; 2844.56,2473.64 ccw(c2818.2,2500) P12.7@2855.47,2500
  Bottom Layer w10: v1@1735.86,1990.86 cw(c1701.72,1956.72) 1750,1956.72 cw(c1798.28,1956.72) v1@1764.14,1990.86 ; 1747.5,1497.5 cw(c1716.52,1466.52) v1@1760.1,1462.04 ; v1(1750,2005) 1750,1495 1780,1465 v1(1780,1460) ; 1754.39,1490.61 ccw(c1780,1516.21) v1@1780,1480 ; 1762.37,1482.63 cw(c1743.49,1463.75) v1@1770.05,1461.02
V3.3: C3.2 C4.2 P9.6 pad.0@1465,210 pad.0@1585,2100 pad.0@1650,2625 pad.1@1845,3030 R3.2 R12.2 R13.2 R15.2 R17.2 R18.2 R19.2 R20.1 R21.1 R22.1 R24.1 R28.1 R29.1 R31.2 VR1.2 | length 8064.1
  Top Layer w30: R3.2@1305,2840 R3.2@1310.32,2840 1420,2840 ; pad.0@1585,2100 R15.2@1643.27,2100 ; pad.0@1595.61,2089.39 cw(c1621.21,2063.79) 1621.21,2100 cw(c1621.21,2136.21) pad.0@1595.61,2110.61 ; 1651.73,2556.73 R18.2@2160,2556.73 ; 1787.97,2556.73 ccw(c1787.97,2592.03) v1@1812.93,2567.07 ; v1@1827.07,2567.07 ccw(c1852.03,2592.03) 1852.03,2556.73 ; pad.1@1834.39,3019.39 cw(c1805.08,2990.08) 1846.54,2990.08 ; pad.1@1844,3009 1846.54,3011.54 R20.1@1846.54,2960 R22.1@1846.54,2900 R21.1@1846.54,2840 ; 1846.54,2997.49 cw(c1877.51,2997.49) pad.1@1855.61,3019.39 ; R18.2@2160,2565 2160,2605 ; R17.2@2240,2565 2240,2626.34 ; R19.2@2330,2565 2330,2625 ; 2695,205 2695,475 2740,520 R12.2@2740,533.27 ; 2734.38,514.38 ccw(c2715.5,533.27) R12.2@2742.2,533.27 ; R13.2@3026.73,1180 v1(3090,1180) 3145,1235 3235,1235 P9.6@3260,1260 ; 3164.57,1235 ccw(c3164.57,1355.43) P9.6@3249.73,1270.27 ; 3237,1235 ccw(c3237,1283) P9.6@3270.94,1249.06
  Top Layer w50: C3.2@1360,2929.69 1420,2929.69 ; 1420,2625 VR1.2@1420,2738.11 1420,2840 1420,2929.69 ; 1420,2851.65 cw(c1537.05,2851.65) C4.2@1454.28,2934.42 ; C4.2@1460,2929.69 1420,2929.69 ; v1(1510,905) v1@1630,905 ; v1(1545,205) 2695,205 3065,205 ; R31.2@1581.34,745 v1@1625,745 ; R29.1@1650,2398.66 pad.0@1650,2625 ; R24.1@2181.34,2700 2181.34,2626.34 2240,2626.34 2328.66,2626.34 2330,2625 ; 3029.64,205 ccw(c3029.64,290.36) v1(3090,230)
  Bottom Layer w30: 1510,2100 pad.0@1585,2100 ; pad.0@1574.39,2089.39 ccw(c1548.79,2063.79) 1548.79,2100 ccw(c1548.79,2136.21) pad.0@1574.39,2110.61 ; v1(1820,2560) 1820,2675 1845,2700 1845,2753.95 1844,2754.95 1844,3029 pad.1@1845,3030 ; pad.1@1834.39,3019.39 cw(c1811.2,2996.2) 1844,2996.2 ; 1844,2991.37 cw(c1883.63,2991.37) pad.1@1855.61,3019.39
  Bottom Layer w50: 1510,390 v1@1510,740 ; 1510,459.5 ccw(c1629.5,459.5) v1(1545,375) ; v1(1510,905) 1510,2100 1510,2475 ; v1@3090,450 v1(3090,1180)
  other v1: 1465,300 1545,300 3085,310 1460,370 3080,380 3085,450 1630,740 1510,745 1635,900 1565,2500 1300,2505 1485,2605 1335,2610
V5: C1.1 C8.2 D9.2 J5.3 L1.2 pad.3@860,130 pad.4@360,1265 pad.6 R2.2 R4.1 R5.2 R6.2 R23.2 R25.1 R26.1 R27.2 R30.2 U1.4 | length 11775.6
  Top Layer w30: v1@175,745 cw(c175,695.2) 210.22,730.41 ; v1(175,755) 185.63,755 210.32,730.32 R6.2@380,730.32 511.65,730.32 R25.1@581.34,800 ; R2.2@345,1360 355,1360 407.5,1307.5 ; v1@400,320 545,320 R26.1@581.34,356.34 ; 546.46,765.12 cw(c581.34,730.24) R25.1@581.34,779.57 ; 561.57,336.57 ccw(c531.32,366.81) R26.1@574.09,366.81 ; J5.3@2769.07,377.23 ccw(c2727.47,418.83) 2786.3,418.83 ccw(c2845.13,418.83) J5.3@2803.53,377.23 ; J5.3@2786.3,360 2786.3,504.96 R30.2@2841.34,560 ; 2806.46,525.12 cw(c2841.34,490.24) R30.2@2841.34,539.57 ; v1(3205,1535) 3253.66,1535 R27.2@3258.66,1540 ; v1@3229.1,1535 ccw(c3229.1,1569.56) R27.2@3253.54,1545.12
  Top Layer w50: pad.4@380,1280 407.5,1307.5 495,1395 495,1645 550,1700 965,1700 1025,1760 1025,1985 ; pad.6@385,175 860,175 ; L1.2@675.04,2080 675.04,2059.96 795.94,1939.06 C1.1@880,1939.06 979.06,1939.06 1025,1985 ; 739.29,175 cw(c739.29,9.29) pad.3@856.46,126.46 ; U1.4@806.93,2370 U1.4@806.93,2420 806.93,2581.93 825,2600 1005,2600 1021.34,2583.66 ; R23.2@861.34,260 860,258.66 860,175 ; 891.82,161.82 ccw(c860,130) 860,175 ; D9.2@1100,2871.1 1100,2741.34 1021.34,2741.34 1021.34,2583.66 ; C8.2@3240,2030.31 3325.31,2030.31 v1(3355,2060) cw(c3283.33,2131.67) 3283.33,2030.31 ; v1(3355,130) 3350,125 860,125 860,175 ; 1021.34,2583.66 1025,2580 1025,1985
  Bottom Layer w30: v1@175,745 cw(c175,695.2) 210.22,730.41 ; v1(175,755) 185.63,755 210.32,730.32 259.68,730.32 ; J5.3@2769.07,342.77 cw(c2727.47,301.17) 2786.3,301.17 cw(c2845.13,301.17) J5.3@2803.53,342.77 ; 2786.3,163.07 ccw(c2823.07,163.07) v1@2797.07,137.07 ; J5.3@2786.3,360 2786.3,126.3 v1(2790,130) ; v1(3205,1535) 3350,1535
  Bottom Layer w50: v1@260,1210 260,340 v1(325,275) 385,215 ; v1@335,265 ccw(c375.62,305.62) v1(390,250) cw(c370.62,280.62) 345,255 ; 367.5,232.5 385,215 ; pad.6@385,175 385,215 ; v1(3355,130) v1(3355,2060) ; 348.18,251.82 cw(c271.36,175) 380,175 ccw(c271.36,175) 348.18,251.82
  other v1: 385,320 260,1200 175,1210 260,1275
V12: C2.2 D5.2 J1.2 P2.1 R1.2 T1.1 U1.1 | length 3148.1
  Top Layer w50: v1@302.32,2777.32 D5.2@400,2777.32 ; R1.2@350.32,1500 415,1500 P2.1@415,1825.47 ; P2.1@390.31,1794.56 cw(c436.53,1767.26) 436.53,1820.94 719.06,1820.94 T1.1@720,1820 ; P2.1@390.52,1794.83 cw(c453.56,1731.79) 453.56,1820.94 ; P2.1@391.5,1848.98 P2.1@415,1825.47 ; P2.1@392.15,1795.07 cw(c371.26,1756.64) 415,1756.64 ; P2.1@392.47,1794.83 cw(c338.08,1740.44) 415,1740.44 ; J1.2@400,2220 605,2425 U1.1@605,2470 ; 415,1656.36 cw(c568.64,1656.36) v1(460,1765) ; 415,1765 P2.1@415,1825.47 ; 506.15,1820.94 ccw(c506.15,1897.71) C2.2@560.43,1843.43 ; 510.64,2330.64 cw(c606.14,2235.13) U1.1@606.14,2370.2 ; C2.2@569.57,1843.43 ccw(c623.85,1897.71) 623.85,1820.94 ; U1.1@595.99,2415.99 cw(c606.14,2405.84) U1.1@606.14,2420.2 ; P2.1@415,1825.47 ccw(c478.13,1825.47) v1(460,1765) ; P2.1@415,1825.47 ccw(c478.13,1825.47) v1(460,1765)
  Bottom Layer w50: 295,2354.14 ccw(c329.14,2354.14) v1(305,2330) ; v1@302.32,2777.32 295,2770 295,2330 v1(305,2330) ; 315.61,2304.39 cw(c341.21,2330) v1(305,2330) ; P2.1@400,1857.48 J1.2@400,2220 297.5,2322.5 v1(305,2330) ; 400,2057.57 cw(c502.43,2057.57) v1(430,2130) cw(c502.43,2202.43) J1.2@400,2202.43
  other v1: 305,1765 310,1850 465,1875 315,2130 310,2230 400,2330 295,2780
V_BAT: C7.2 U2.2 U6.1 U8.8 | length 3382.2
  Top Layer w15: v1@2452.63,1047.37 ccw(c2422.75,1077.25) 2465,1077.25 ccw(c2507.25,1077.25) v1@2477.37,1047.37 ; U6.1@2459.45,1091.73 2465,1086.18 v1(2465,1035)
  Top Layer w30: C7.2@1640,2929.69 1790,2779.69 ; 1790,2780 1790,2779.69 ; 1854.54,2779.69 cw(c1854.54,2739.54) v1@1882.93,2767.93 ; U8.8@2137.64,2805 2115,2805 2085,2775 v1(1890,2775) 1885.32,2779.69 1790,2779.69
  Bottom Layer w15: U2.2@1864.87,2617.46 cw(c1810.46,2563.06) 1887.4,2563.06 cw(c1964.34,2563.06) U2.2@1909.94,2617.46 ; U2.2@1875.47,2628.07 cw(c1846.67,2599.27) 1887.4,2599.27 cw(c1928.13,2599.27) U2.2@1899.33,2628.07 ; U2.2@1887.4,2640 1887.4,2262.6 1905,2245 1905,1770 2475,1770 2505,1740 2505,1045 2490,1030 2465,1030 v1(2465,1035)
  Bottom Layer w30: U2.2@1870.17,2657.23 ccw(c1822.3,2705.11) 1890,2705.11 ; U2.2@1887.4,2640 1890,2640 v1(1890,2775) ; 1890,2692.56 ccw(c1939.96,2692.56) U2.2@1904.63,2657.23
VCC_030: P10.4 R29.2 U7.5 U7.16 | length 1164.3
  Top Layer w20: R29.2@1660,2295 1666.83,2288.17 1831,2124 1895.17,2124 1895.68,2124.5 1927.8,2124.5 v1(2075,2124.5) U7.5@2149.5,2124.5 ; R29.2@1673.19,2269.09 cw(c1673.19,2238.39) R29.2@1694.9,2260.1 ; R29.2@1685.43,2281.34 ccw(c1713.85,2281.34) R29.2@1693.75,2261.25 ; v1@2064.39,2113.9 ccw(c2038.79,2088.29) 2038.79,2124.5 ccw(c2038.79,2160.72) v1@2064.39,2135.11 ; v1@2085.61,2113.9 cw(c2111.21,2088.29) 2111.21,2124.5 cw(c2111.21,2160.72) v1@2085.61,2135.11
  Bottom Layer w20: v1@2064.39,2113.9 cw(c2038.79,2088.29) 2075,2088.29 cw(c2111.21,2088.29) v1@2085.61,2113.9 ; v1(2075,2124.5) 2075,1925 P10.4@2155,1845 ; P10.4@2135.47,1845 ccw(c2088.33,1845) 2121.66,1878.34 ccw(c2155,1911.67) P10.4@2155,1864.53
VCC_103: C13.2 C14.1 P7.4 R28.2 U6.9 U6.24 U6.36 U6.48 | length 2302.2
  Top Layer w15: U6.24@2191.73,1359.45 2191.73,1308.27 2293.29,1206.71 2408.27,1091.73 U6.48@2408.27,1040.55 ; 2335.79,1249.21 U6.9@2459.45,1249.21 2504.21,1249.21 2555,1300 2749.68,1300 ; 2757.03,1307.34 2749.68,1300 ; 2829.56,1379.87 cw(c2849.68,1359.74) C13.2@2849.68,1388.21 ; C13.2@2831.93,1382.25 ccw(c2815.16,1399.02) C13.2@2838.88,1399.02 ; C13.2@2849.68,1400 2749.68,1300
  Top Layer w20: U6.36@2170.47,1087.24 ccw(c2170.47,1102.33) 2181.14,1091.66 ; 2174.38,1084.91 2191.99,1102.51 2191.99,1105.41 2293.29,1206.71 2335.79,1249.21
  Top Layer w30: P7.4@1440,920 1495,975 1685,975 1698.66,961.34 R28.2@1698.66,900 1803.66,1005 2045,1005 2124.91,1084.91 2165,1084.91 ; P7.4@1440,934.53 ccw(c1440,969.6) 1464.8,944.8 ccw(c1489.6,920) P7.4@1454.53,920 ; R28.2@1698.66,920.43 ccw(c1698.66,969.76) 1733.54,934.88 ; 1899.72,1005 ccw(c1899.72,1028.98) C14.1@1916.68,1012.02 ; C14.1@1923.32,1012.02 ccw(c1940.28,1028.98) 1940.28,1005
VCC_1302: R24.2 U8.1 | length 161.8
  Top Layer w30: R24.2@2298.66,2700 2342.36,2743.7 U8.1@2342.36,2805 ; R24.2@2298.66,2720.43 ccw(c2298.66,2769.76) 2333.54,2734.88
VCC_R: P1.2 P1.4 R23.1 | length 281.3
  Top Layer w50: R23.1@978.66,260 P1.2@1160,260
  Bottom Layer w50: P1.2@1160,260 P1.4@1160,360
pads on no net: J3.1 J3.4 J3.6 J3.7 J3.8 J3.9 J3.10 J3.11 J4.1 J4.4 J4.6 J4.7 J4.8 J4.9 J4.10 J4.11 P1.1 P1.7 P1.11 P1.12 P1.13 P1.15 P1.16 P1.17 P1.18 P1.27 P1.28 P1.29 P1.31 P1.32 P1.33 P1.34 P1.35 P1.36 P1.37 P1.38 P1.40 P12.9 U1.0 U6.5 U6.6 U6.25 U6.26 U6.27 U6.28 U6.29 U6.32 U6.33 U6.38 U6.45 U6.46 U7.14

## Polygon pours and split planes (outlines as drawn)
GND on Bottom Layer "Top Layer-No Net" (hatched 90Degree grid 15 track 10): 0,3149.61 3779.53,3149.61 3779.53,0 0,0 0,3149.61
GND on Top Layer "Top Layer-No Net" (hatched 90Degree grid 15 track 10): 0,3149.61 3770,3149.61 3770,0 10,0 0,10

## Keep-outs
Keep-Out Layer:
  the board outline again, w10

## Other copper
Top Layer:
  rectangle net V3.3: 3040,210 3120,460
  rectangle net V12: 260,1715 500,1920
  rectangle net V12: 270,2075 495,2380
  rectangle net V5: 310,140 425,350
  rectangle net V5: 145,1170 390,1300
  rectangle net V3.3: 1270,2440 1670,2645
  rectangle net V5: 790,100 890,195
Bottom Layer:
  rectangle net V3.3: 1430,175 1580,405
  rectangle net V12: 260,1715 495,2075
  rectangle net V12: 260,2075 495,2390
  rectangle net V5: 310,135 425,345
  rectangle net V5: 145,1175 385,1300
  rectangle net V3.3: 1265,2435 1675,2645
  rectangle net V3.3: 1485,695 1655,950

## Silkscreen, mask and mechanical layers (free items; w line width, h text height)
Top Overlay:
  text "3.3V" at 1165,3060 h60
  text "R IO" at 3060,2770 h60
  text "C A0" at 3060,2670 h60
  text "A A2" at 3060,2570 h60
  text "RST" at 2430,2510 h60
  text "U TR" at 3060,2465 h60
  text "G C D V" at 1805,1915 h60
  text "MO MI CK NS" at 1940,1750 h32
  text "G U2R U2T" at 2520,1745 h35
  text "NS" at 755,1570 h60
  text "12V" at 65,1555 h60
  text "MO" at 755,1470 h60
  text "RS" at 2990,1470 h60
  text "MI" at 755,1370 h60
  text "CK" at 755,1270 h60
  text "5V" at 95,1245 h60
  text "U1G" at 1005,1060 h35
  text "U1R" at 1005,960 h35
  text "U1T" at 1005,860 h35
  text "G" at 1020,735 h35
  text "R" at 1020,625 h35
  text "G  C  D  V" at 1370,600 h35 r90
  text "T" at 1020,525 h35
  text "XDM-I Room V0.2 20180530" at 1345,90 h60
Bottom Overlay:
  text "VBAT" at 1850,2680 h60
  text "GND" at 1025,2580 h60 r180
  text "GND" at 310,2490 h35
  text "12V" at 310,2190 h35
  text "1P" at 295,1030 h35
  text "1N" at 305,835 h35
  text "2P" at 300,640 h35
  text "2N" at 305,440 h35
  text "IO3" at 1570,305 h60 r180
  text "G" at 1820,305 h60 r180
  text "IO1" at 3030,250 h60
  text "V5" at 2835,245 h60
  text "GND" at 3280,245 h60

## Text inside footprints (layer, text, board x,y; h text height)
J3: Top Overlay "1" at 3334.06,1187.95 h35 r270; Top Overlay "5" at 3334.06,761.57 h35 r270; Top Overlay "9" at 3704.13,816.1 h35 r270; Top Overlay "6" at 3704.13,1143.27 h35 r270
J4: Top Overlay "1" at 3334.06,2447.95 h35 r270; Top Overlay "5" at 3334.06,2021.57 h35 r270; Top Overlay "9" at 3704.13,2076.1 h35 r270; Top Overlay "6" at 3704.13,2403.27 h35 r270
P1: Top Overlay "39" at 1280,2240 h35 r90; Top Overlay "40" at 1180,2240 h35 r90; Top Overlay "2" at 1180,160 h35 r90; Top Overlay "1" at 1280,160 h35 r90
P12: Top Overlay "2" at 2960,2900 h50 r270; Top Overlay "1" at 2860,2895 h50 r270; Top Overlay "9" at 2860,2320 h50 r270; Top Overlay "10" at 2965,2330 h50 r270